# Altium PCB MCU063B_PCB.PcbDoc (part 8 of 9) (continued)
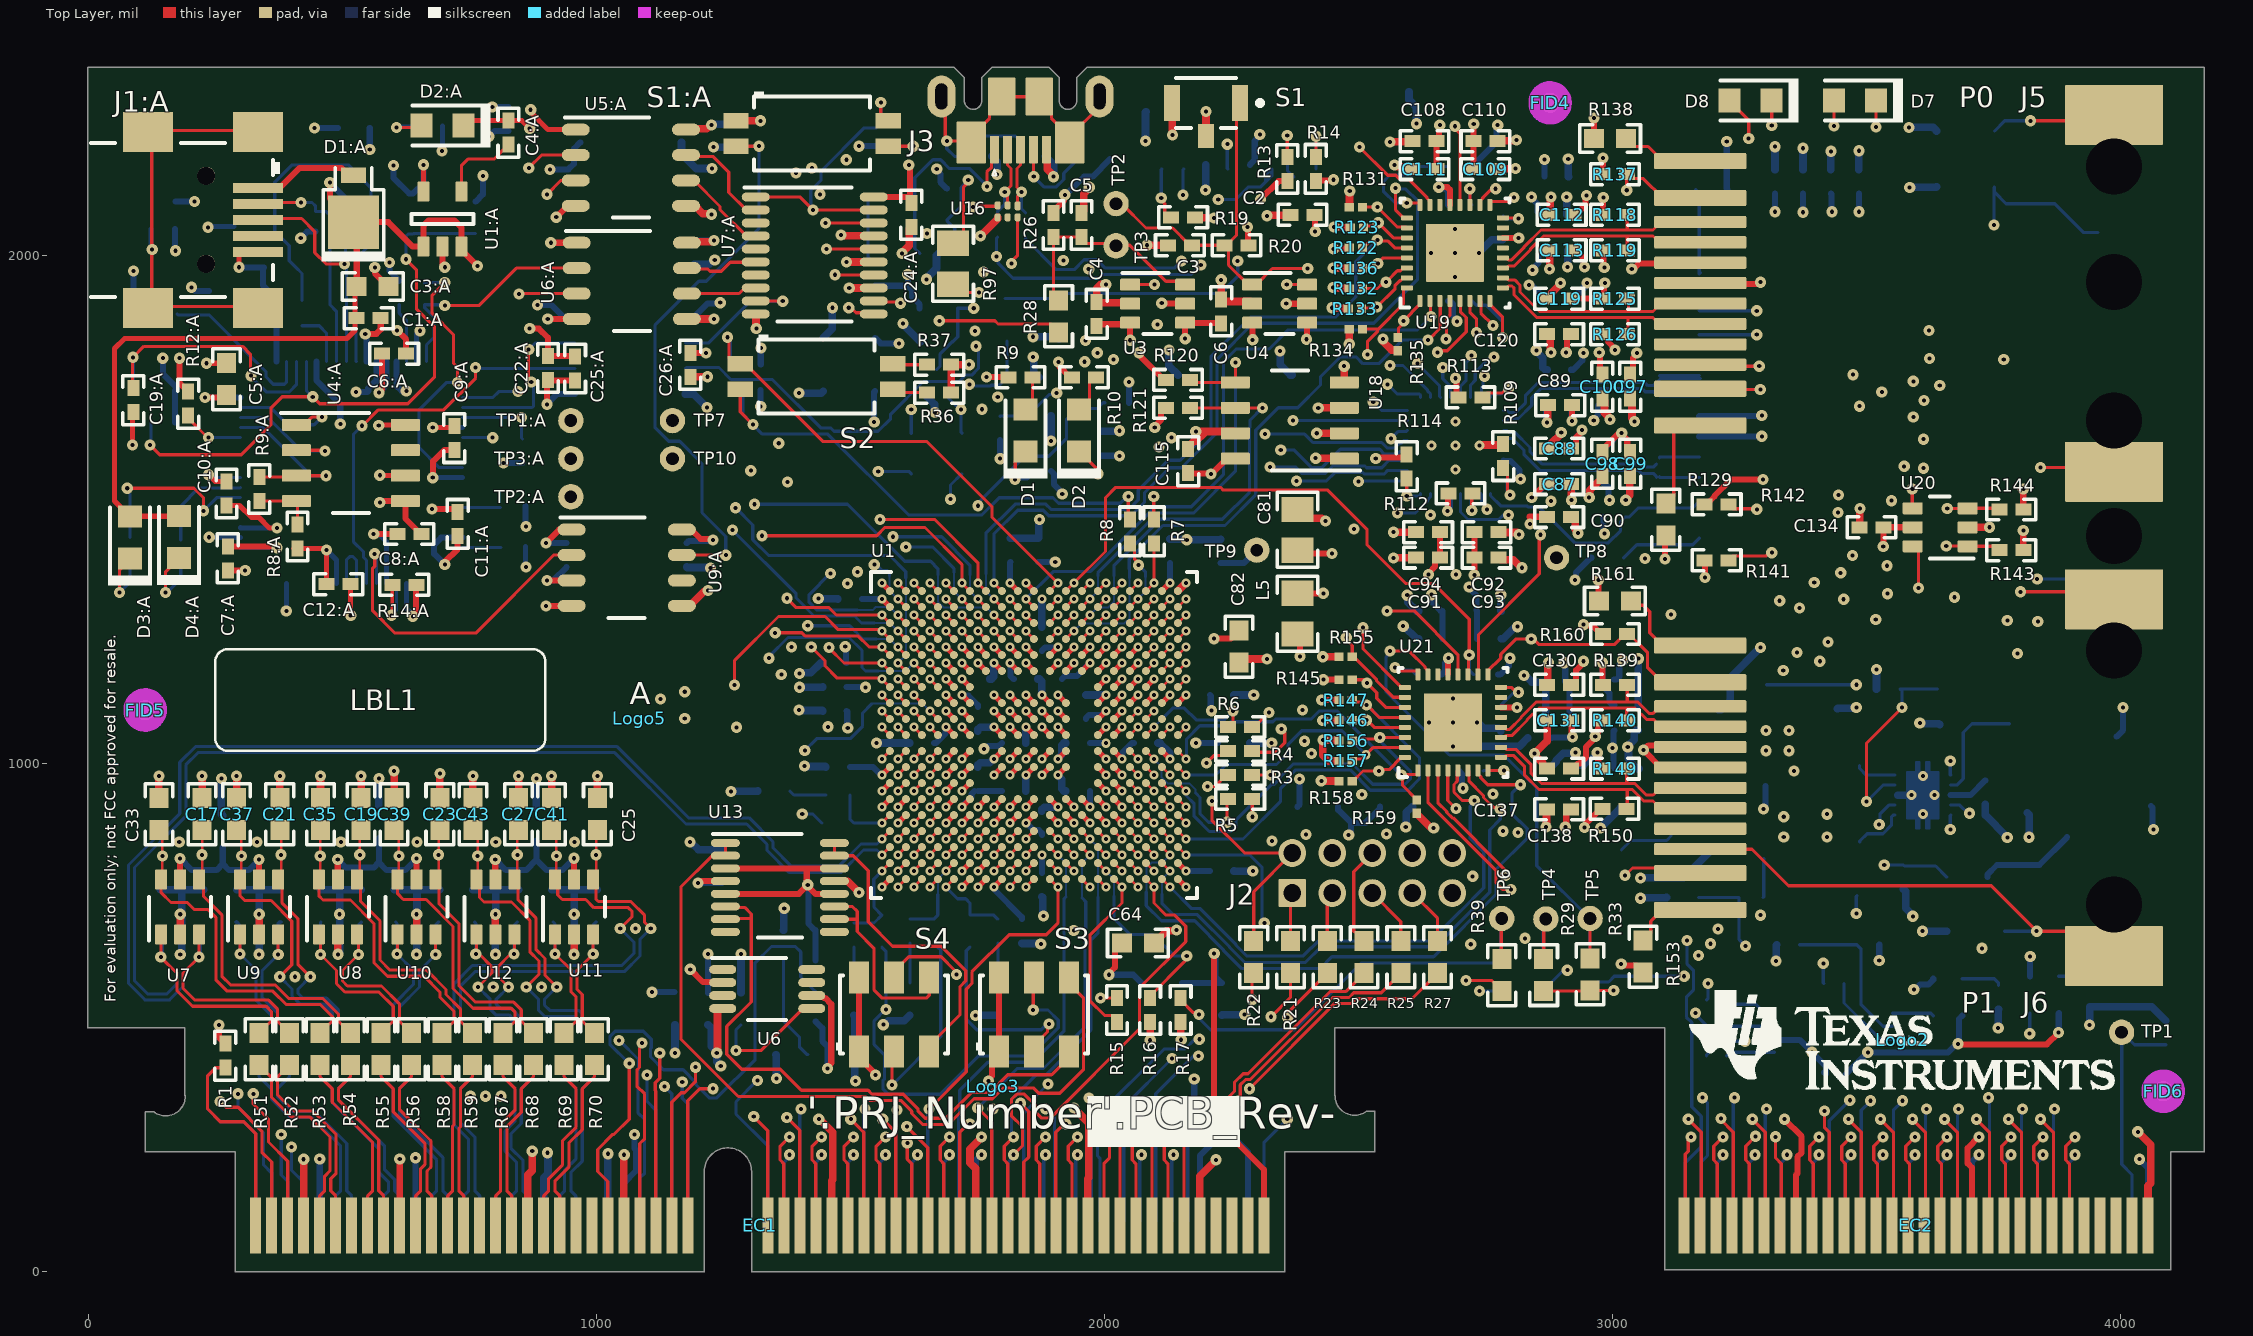
[diagram p0: Top Layer view]
## Polygon pours and split planes (outlines as drawn) (continued)
GND on Internal Plane 5 (split plane): 954.64,245.31 954.9,243.35 955.34,242.29 955.66,241.53 956.86,239.96 1026.86,169.96 1028.42,168.76 1030.25,168.01 1032.21,167.75 1192.51,167.75 1192.51,19.58 309.56,19.58 309.56,235.49 309.18,239.41 308.03,243.18 306.17,246.65 303.68,249.7 300.63,252.2 297.16,254.05 293.39,255.2 289.46,255.58 132.56,255.58 132.56,290.06 133.18,289.8 139.49,287.98 145.97,286.88 152.53,286.51 159.09,286.88 165.56,287.98 171.88,289.8 177.95,292.31 183.69,295.49 189.05,299.29 193.95,303.67 198.33,308.57 202.13,313.93 205.31,319.67 207.82,325.74 208.18,326.99 211.44,330.25 212.5,331.31 213.05,332.14 213.25,333.12 213.25,350.41 213.05,351.38 212.5,352.21 210.56,354.15 210.56,479.49 210.18,483.41 209.03,487.18 208.97,487.29 209.42,487.75 954.64,487.75
VDDA_3V3 on Internal Plane 5 (split plane): 1775.11,911.23 1775.11,756.89 1775.11,737.33 1775.37,735.37 1775.82,734.3 1776.13,733.55 1777.33,731.98 1869.66,639.65 1871.23,638.45 1873.05,637.69 1875.01,637.44 2014.39,637.44 2039.64,612.18 2039.64,484.45 2016.86,461.66 1894.07,338.88 1556.83,338.88 1517.57,378.13 1517.57,422.51 1517.32,424.47 1516.56,426.29 1515.36,427.86 1442.56,500.66 1440.99,501.86 1440.23,502.18 1439.16,502.62 1437.21,502.88 206.29,502.88 204.33,502.62 202.51,501.86 200.94,500.66 198.27,497.99 198.16,498.05 194.39,499.2 190.46,499.58 19.58,499.58 19.58,888.75 1512.66,888.75 1514.61,889 1515.68,889.45 1516.44,889.76 1518,890.96 1565.34,938.3 1748.05,938.3
HSEC_5V0 on Internal Plane 5 (split plane): 257 vertices, not listed, extent 969.77,19.58 4144.4,2177.75
EMU_1V8 on Internal Plane 5 (split plane): 1000.44,1300.43 950.01,1250 19.58,1250 19.58,2350.41 1000.44,2350.41
GND on Internal Plane 5 (split plane): 1527.37,1409.45 1528.94,1408.25 1530.76,1407.49 1532.72,1407.24 1649.13,1407.24 1649.13,1166.34 1649.13,953.43 1562.21,953.43 1560.25,953.17 1559.18,952.73 1558.42,952.41 1556.86,951.21 1509.52,903.88 19.58,903.88 19.58,1160.61 989.4,1160.61 990.01,1160 1115.01,1285 1115.01,1432.75 1504.07,1432.75
GND on Internal Plane 5 (split plane): 1424.64,1812.88 1115.01,1812.88 1115.01,2350.41 1424.64,2350.41
VDD_1V2 on Internal Plane 5 (split plane): 2454.64,1752.18 2454.64,1498.45 2346.86,1390.66 2345.66,1389.09 2345.34,1388.34 2344.9,1387.27 2344.64,1385.31 2344.64,1295.31 2344.9,1293.35 2345.34,1292.29 2345.66,1291.53 2346.86,1289.96 2371.86,1264.96 2373.42,1263.76 2375.25,1263.01 2377.21,1262.75 2424.07,1262.75 2454.64,1232.18 2454.64,1148.45 2316.86,1010.66 2012.17,705.97 2010.97,704.41 2010.65,703.65 2010.21,702.58 2009.95,700.62 2009.95,652.56 1878.14,652.56 1790.24,740.46 1790.24,756.89 1790.24,914.37 1789.99,916.33 1789.23,918.15 1788.03,919.72 1756.53,951.21 1754.97,952.41 1754.21,952.73 1753.14,953.17 1751.18,953.43 1664.26,953.43 1664.26,1166.34 1664.26,1411.67 1855.34,1602.75 1987.21,1602.75 1989.16,1603.01 1990.23,1603.45 1990.99,1603.76 1992.56,1604.96 2255.34,1867.75 2339.07,1867.75
3V3 on Internal Plane 5 (split plane): 2376.86,939.96 2378.42,938.76 2380.25,938.01 2380.48,937.98 2382.21,937.75 3424.07,937.75 3459.64,902.18 3459.64,828.45 3444.07,812.88 3065.32,812.88 3063.36,812.62 3061.54,811.86 3059.97,810.66 2951.88,702.56 2426.9,702.56 2426.9,702.57 2424.94,702.31 2423.87,701.86 2423.11,701.55 2421.55,700.35 2309.07,587.88 2054.77,587.88 2054.77,615.31 2054.51,617.27 2053.76,619.09 2052.56,620.66 2025.08,648.13 2025.08,697.49 2322.21,994.61
1V2 on Internal Plane 5 (split plane): 2866.86,1269.96 2868.42,1268.76 2870.25,1268.01 2872.21,1267.75 3234.07,1267.75 3414.64,1087.18 3414.64,952.88 2385.34,952.88 2332.91,1005.31 2467.56,1139.96 2468.76,1141.53 2469.51,1143.35 2469.77,1145.31 2469.77,1235.31 2469.51,1237.27 2468.76,1239.09 2467.56,1240.66 2432.56,1275.66 2430.99,1276.86 2430.23,1277.18 2429.16,1277.62 2427.21,1277.88 2380.34,1277.88 2359.77,1298.45 2359.77,1382.18 2467.56,1489.96 2468.76,1491.53 2469.26,1492.75 2644.07,1492.75
USB_5V0 on Internal Plane 5 (split plane): 1928.01,2267.42
no net on Internal Plane 5 (split plane): 1928,2267.42 1927.92,2267.43
no net on Internal Plane 5 (split plane): 3229.64,1476.18 3229.64,1282.88 2875.34,1282.88 2652.56,1505.66 2650.99,1506.86 2650.23,1507.18 2649.16,1507.62 2647.21,1507.88 2469.77,1507.88 2469.77,1755.31 2469.51,1757.27 2468.76,1759.09 2467.56,1760.66 2360.47,1867.75 2838.07,1867.75
USB_5V0 on Internal Plane 5 (split plane): 4144.4,1057.88 3920.34,1057.88 3804.77,1173.45 3804.77,1800.31 3804.51,1802.27 3803.76,1804.09 3802.56,1805.66 3417.56,2190.66 3415.99,2191.86 3415.23,2192.18 3414.16,2192.62 3412.21,2192.88 1907.21,2192.88 1905.25,2192.62 1903.42,2191.86 1901.86,2190.66 1746.86,2035.66 1745.66,2034.09 1745.34,2033.34 1744.9,2032.27 1744.64,2030.31 1744.64,1808.45 1589.07,1652.88 1515.34,1652.88 1439.77,1728.45 1439.77,2350.41 1695.51,2350.41 1704.15,2341.77 1704.15,2305.27 1704.26,2304.21 1704.49,2300.65 1705.47,2295.74 1707.07,2291.01 1709.28,2286.53 1712.06,2282.38 1715.35,2278.62 1719.11,2275.32 1723.27,2272.55 1727.75,2270.34 1732.48,2268.73 1737.38,2267.76 1740.93,2267.52 1741.59,2267.46 1742,2267.42 1742.93,2267.51 1746.61,2267.75 1751.35,2268.69 1755.92,2270.25 1760.26,2272.39 1764.28,2275.07 1767.91,2278.26 1771.1,2281.89 1773.78,2285.91 1775.92,2290.24 1777.47,2294.82 1778.42,2299.56 1778.7,2303.85 1778.75,2304.39 1778.74,2304.49 1778.75,2304.59 1778.75,2304.6 1778.75,2341.77 1786.96,2349.98 1882.95,2349.98 1891.16,2341.77 1891.16,2305.18 1889.8,2305.22 1889.54,2304.6 1891.16,2304.6 1891.16,2304.59 1891.18,2304.39 1891.49,2299.6 1892.44,2294.86 1893.99,2290.27 1896.13,2285.93 1898.82,2281.91 1902.01,2278.27 1905.65,2275.08 1909.68,2272.39 1914.02,2270.25 1918.6,2268.7 1923.34,2267.75 1926.89,2267.52 1927.31,2267.47 1927.26,2266.11 1927.78,2265.89 1928,2265.8 1928.2,2265.88 1928.19,2267.43 1928.21,2267.44 1928.29,2267.43 1933.18,2267.75 1937.98,2268.71 1942.62,2270.28 1947.01,2272.45 1951.09,2275.17 1954.77,2278.4 1958,2282.09 1960.72,2286.16 1962.89,2290.56 1964.47,2295.19 1965.42,2300 1965.64,2303.31 1965.76,2304.36 1965.76,2304.37 1965.75,2304.48 1965.76,2304.6 1965.76,2304.61 1965.76,2341.77 1974.41,2350.42 4144.4,2350.42
VDD_3V3 on Internal Plane 6 (split plane): 245 vertices, not listed, extent 19.58,19.58 4144.4,2350.42
EMU_3V3 on Internal Plane 6 (split plane): 1000.44,1300.43 950.01,1250 19.58,1250 19.58,2350.41 1000.44,2350.41
VDD_3V3 on Internal Plane 6 (split plane): 1928.01,2267.42
no net on Internal Plane 6 (split plane): 1928,2267.42 1927.92,2267.43
GND on Internal Plane 9 (split plane): 245 vertices, not listed, extent 19.58,19.58 4144.4,2350.42
EMU_GND on Internal Plane 9 (split plane): 1000.44,1300.43 950.01,1250 19.58,1250 19.58,2350.41 1000.44,2350.41
GND on Internal Plane 9 (split plane): 1928.01,2267.42
no net on Internal Plane 9 (split plane): 1928,2267.42 1927.92,2267.43

## Keep-outs
Keep-Out Layer:
  text ".Layer_Name" at -2483.86,-1945.78 h60

## Other copper
Top Layer:
  text ".Layer_Name" at -2483.86,-1945.78 h60
Signal Layer 3:
  text ".Layer_Name" at -2500,-1950 h60
Signal Layer 4:
  text ".Layer_Name" at -2500,-1950 h60
Signal Layer 7:
  text ".Layer_Name" at -2500,-1950 h60
Signal Layer 8:
  text ".Layer_Name" at -2500,-1950 h60
Bottom:
  text ".Layer_Name" at -2483.86,-1945.78 h60
Internal Plane 2 (plane layer: these items are gaps in the copper):
  rectangle: -1.84,1160.61 990.01,1250
  rectangle: 1000.44,1285 1115.01,2356.57
  region: 990.01,1160 1115.01,1285 1050.01,1350 925.01,1225
  lines w5: 193.87,350.41 210.7,350.41 ; 202.58,325 209.64,332.06 210.7,333.12 210.7,350.41 ; 206.11,355 210.7,350.41
  text ".Layer_Name" at -2525,-1950 h60
Internal Plane 5 (plane layer: these items are gaps in the copper):
  region: 990.01,1160 1115.01,1285 1050.01,1350 925.01,1225
  rectangle: 1000.44,1285 1115.01,2356.57
  rectangle: -1.84,1160.61 990.01,1250
  lines w5: 193.87,350.41 210.7,350.41 ; 202.58,325 209.64,332.06 210.7,333.12 210.7,350.41 ; 206.11,355 210.7,350.41
  lines w15: 0,896.31 1462.21,896.31 1512.66,896.31 1562.21,945.86 1719.69,945.86 1751.18,945.86 1782.68,914.37 1782.68,756.89 1782.68,737.33 1875.01,645 2017.52,645 ; 190.98,480 206.29,495.31 1437.21,495.31 1510.01,422.51 1510.01,375 1553.7,331.31 1835.21,331.31 1897.21,331.31 2022.21,456.31 2047.21,481.31 2047.21,615.31 2017.52,645 ; 962.21,495.31 962.21,245.31 1032.21,175.31 1212.09,175.31 ; 1077.21,1440.31 1507.21,1440.31 1532.72,1414.8 1656.7,1414.8 ; 1087.21,1805.31 1432.21,1805.31 ; 1432.21,2370.31 1432.21,1725.31 1512.21,1645.31 1592.21,1645.31 1752.21,1805.31 1752.21,2030.31 1907.21,2185.31 3412.21,2185.31 3797.21,1800.31 3797.21,1170.31 3917.21,1050.31 4163.98,1050.31 ; 1656.7,945.86 1656.7,1166.34 1656.7,1414.8 ; 2047.21,580.31 2312.21,580.31 2426.9,695 2780.01,695 2955.01,695 3065.32,805.31 3447.21,805.31 3467.21,825.31 3467.21,905.31 3427.21,945.31 2382.21,945.31 2322.21,1005.31 ; 2347.21,1875.31 2841.21,1875.31 3237.21,1479.31 3237.21,1275.31 ; 2462.21,1500.31 2647.21,1500.31 2872.21,1275.31 3237.21,1275.31 ; 3422.21,945.31 3422.21,1090.31 3237.21,1275.31 ; 1656.7,1414.8 1852.21,1610.31 1987.21,1610.31 2252.21,1875.31 2342.21,1875.31 2462.21,1755.31 2462.21,1495.31 2352.21,1385.31 2352.21,1295.31 2377.21,1270.31 2427.21,1270.31 2462.21,1235.31 2462.21,1145.31 2017.52,700.62 2017.52,645
  text ".Layer_Name" at -2500,-1950 h60
Internal Plane 6 (plane layer: these items are gaps in the copper):
  region: 990.01,1160 1115.01,1285 1050.01,1350 925.01,1225
  rectangle: 1000.44,1285 1115.01,2356.57
  rectangle: -1.84,1160.61 990.01,1250
  lines w5: 193.87,350.41 210.7,350.41 ; 202.58,325 209.64,332.06 210.7,333.12 210.7,350.41 ; 206.11,355 210.7,350.41
  text ".Layer_Name" at -2500,-1950 h60
Internal Plane 9 (plane layer: these items are gaps in the copper):
  region: 990.01,1160 1115.01,1285 1050.01,1350 925.01,1225
  rectangle: 1000.44,1285 1115.01,2356.57
  rectangle: -1.84,1160.61 990.01,1250
  lines w5: 193.87,350.41 210.7,350.41 ; 202.58,325 209.64,332.06 210.7,333.12 210.7,350.41 ; 206.11,355 210.7,350.41
  text ".Layer_Name" at -2500,-1950 h60

## Silkscreen, mask and mechanical layers (free items; w line width, h text height)
Top Overlay:
  region: 2267.21,345.31 1967.21,345.31 1967.21,245.31 2267.21,245.31
  text "P0" at 3683,2292 h40
  text "P1" at 3688,509 h40
  text "'.PRJ_Number'.PCB_Rev-" at 1413.21,260.65 h108.27
  text ".Layer_Name" at -2483.86,-1945.78 h60
Bottom Overlay:
  text "5V0" at 1090.77,1658.26 h53
  text "GND" at 1100.84,1583.05 h53
  text "3V0" at 1090.76,1508.27 h53
  text "1V2" at 2418,1405 h50
  text "3V3" at 2861.9,1390.6 h50
  text "C28x" at 2820.73,730.87 h40
  text "P0" at 2883.35,730.87 h40
  text "P1" at 2972.22,730.45 h40
  text "ERRORSTS" at 4000,245 h40 r270
  text ".Layer_Name" at -2483.86,-1945.78 h60
Top Paste:
  text ".Layer_Name" at -2483.86,-1945.78 h60
Bottom Paste:
  text ".Layer_Name" at -2483.86,-1945.78 h60
Top Solder:
  lines w1: 1778.85,2369.56 1891.06,2369.56
  lines w39.37: 1703.62,2369.99 1723.73,2349.88 1723.73,2304.6 ; 1724.4,2304.6 ccw(c1741.78,2304.39) 1759.17,2304.6 ; 1778.85,2369.56 1759.17,2349.88 1759.17,2304.6 ; 1891.06,2369.56 1910.74,2349.88 1910.74,2304.6 ccw(c1928.17,2304.43) 1928,2287 ccw(c1928.29,2304.89) 1946.18,2304.6 1946.18,2349.88 1966.3,2370 ; 1759.17,2304.6 1759.17,2304.6
  lines w50: 190.98,347 190.98,480 0.01,480 0,2370 4163.98,2370 4163.98,236.1 4098.57,236.1 4098.57,4 3103.29,4 3103.29,480 2452.98,480 2452.98,443.59 2452.98,346 ; 191.48,347.03 cw(c152.53,345.09) 128.98,314 112.98,314 112.98,236 289.98,236 289.98,0 1212.09,0 1212.09,197 cw(c1259.09,197) 1306.09,197 1306.09,0 2354.98,0 2354.98,236 2531.98,236 2531.98,315 2515.98,315 cw(c2492.48,346.12) 2453.48,346
  text ".Layer_Name" at -2483.86,-1945.78 h60
  text ".Layer_Name" at -2483.86,-1945.78 h60
Bottom Solder:
  lines w39.37: 1703.62,2369.99 1723.73,2349.88 1723.73,2304.6 ; 1724.4,2304.6 ccw(c1741.78,2304.39) 1759.17,2304.6 ; 1778.85,2369.56 1759.17,2349.88 1759.17,2304.6 ; 1891.06,2369.56 1910.74,2349.88 1910.74,2304.6 ccw(c1928.17,2304.43) 1928,2287 ccw(c1928.29,2304.89) 1946.18,2304.6 1946.18,2349.88 1966.3,2370 ; 1759.17,2304.6 1759.17,2304.6
  lines w50: 190.98,347 190.98,480 0.01,480 0,2370 4163.98,2370 4163.98,236.1 4098.57,236.1 4098.57,4 3103.29,4 3103.29,480 2452.98,480 2452.98,443.59 2452.98,346 ; 191.48,347.03 cw(c152.53,345.09) 128.98,314 112.98,314 112.98,236 289.98,236 289.98,0 1212.09,0 1212.09,197 cw(c1259.09,197) 1306.09,197 1306.09,0 2354.98,0 2354.98,236 2531.98,236 2531.98,315 2515.98,315 cw(c2492.48,346.12) 2453.48,346
  text ".Layer_Name" at -2483.86,-1945.78 h60
Drill Guide:
  text ".Layer_Name" at -2483.86,-1945.78 h60
M1 Board Outline:
  lines w10: 190.98,347 190.98,480 0.01,480 0,2369.99 1703.62,2369.99 1723.73,2349.88 1723.73,2304.6 ; 191.48,347.03 cw(c152.53,345.09) 128.98,314 112.98,314 112.98,236 289.98,236 ; 1724.4,2304.6 ccw(c1741.78,2304.39) 1759.17,2304.6 ; 2354.98,236 2531.98,236 2531.98,315 2515.98,315 cw(c2492.48,346.12) 2453.48,346 ; 2452.98,346 2452.98,443.59 2452.98,480 3103.29,480 3103.29,4 4098.57,4 4098.57,236.1 4163.98,236.1 4163.98,2370 1966.3,2370 1946.18,2349.88 1946.18,2304.6 cw(c1928.29,2304.89) 1928,2287 cw(c1928.17,2304.43) 1910.74,2304.6 1910.74,2349.88 1891.06,2369.56 1778.85,2369.56 1759.17,2349.88 1759.17,2304.6 ; 1759.17,2304.6 1759.17,2304.6
  text ".Layer_Name" at -2483.86,-1945.78 h60
M2 Board Dimensions:
  rectangle: -3060.86,-1362.29 -2935.86,-1237.29
  rectangle: -2935.86,-1487.29 -2560.86,-1362.29
  lines w5: 280,265 290,255 ; 300,265 290,255 ; 460,300 315,300 290,275 290,255 ; 2370,205 2370,220 ; 2385,220 2370,220 ; 2385,515 2385,480 2405,480 2435,480 ; 2425,470 2435,480 ; 2425,490 2435,480 ; 2620,530 2630,520 3105,520 3105,500 3105,485 ; 2755,-355 2755,-185 2400,170 2400,190 2370,220 ; 3095,495 3105,485 ; 3115,495 3105,485 ; 4060,350 4060,325 4080,305 4100,285 4100,270 4100,245 ; 4090,255 4100,245 ; 4110,255 4100,245
  lines w7: -3060.86,-1362.29 -2060.86,-1362.29 ; -2935.86,-1487.29 -2935.86,-1237.29 ; -2810.86,-1487.29 -2810.86,-1237.29 ; -2560.86,-1487.29 -2560.86,-1237.29 ; -2310.86,-1487.29 -2310.86,-1237.29 ; -3060.86,-1487.29 -2060.86,-1487.29 -2060.86,-1237.29 -3060.86,-1237.29 -3060.86,-1487.29
  lines w10: 205,520 205,500 ; 225,500 205,500 ; 300,515 220,515 205,500 ; 6777.14,-860.29 6845.14,-860.29 ; 6819.14,-889.29 6846.14,-861.29 ; 6819.14,-830.29 6846.14,-860.29 ; 6853.14,484.71 6921.14,566.71 ; 6855.14,-907.29 6855.14,-585.29 ; 6855.14,-544.29 6905.14,-598.29 7015.14,-598.29 7062.14,-541.29 ; 6855.14,-542.29 6855.14,487.71 ; 6920.14,567.71 6984.14,480.71 ; 6938.14,-692.29 7006.14,-692.29 ; 6980.14,-721.29 7007.14,-693.29 ; 6980.14,-662.29 7007.14,-692.29 ; 6985.14,479.71 7057.14,569.71 ; 7016.14,-907.29 7016.14,-625.29 ; 7062.14,-542.29 7062.14,487.71 7062.14,572.71 ; 7063.14,-907.29 7063.14,-585.29 ; 7069.1,108.34 cw(c7013.14,-599.29) 7452.47,-41.75 ; 7070.98,106.97 ccw(c7210.73,341.63) 7121.85,83.38 ; 7071.14,-857.29 7098.14,-887.29 ; 7071.14,-856.29 7098.14,-828.29 ; 7071.14,113.71 cw(c7103.59,-60.26) 7133.86,114.11 ; 7073.14,-856.29 7141.14,-856.29 ; 7073.14,-693.29 7100.14,-723.29 ; 7073.14,-692.29 7100.14,-664.29 ; 7075.14,-692.29 7143.14,-692.29 ; 7089.14,-503.29 7552.14,68.71 ; 7399.14,-27.29 ccw(c7536.66,313.14) 7453.8,-44.54 ; 7416.38,6.02 cw(c7299.53,-127.43) 7455.14,-42.29
  text "x2" at 1394,2897 h60 r90
  text "x2" at 2085,2795 h60
  text "x2" at 1584,2722 h60
  text "x2" at 2302,2529 h60 r90
  text "X2" at 2510,635 h60
  text "R 39.00" at 2225,550 h60
  text "R 39.00" at 330,495 h60
  text "R 39.00" at 3740,370 h60
  text "R 39.00" at 490,265 h60
  text "30" at 7258.14,128.71 h60
  text "R 39.00" at 2625,-440 h60
  text "18MIL" at 7184.14,-720.29 h60
  text "62MIL" at 7177.14,-884.29 h60
  text "GOLD FINGER" at 6696.14,-1121.29 h60
  text "SIDE VIEW" at 6750.14,-1234.29 h60
  text ".Layer_Name" at -2483.86,-1945.78 h60
M3 3D STEP Top:
  text ".Layer_Name" at -2483.86,-1945.78 h60
M4 3D STEP Bottom:
  text ".Layer_Name" at -2483.86,-1945.78 h60
M5 Assembly Top:
  lines w10: -3352.86,-2017.45 3247.14,-2017.45 ; -3352.86,-1814.12 3249.14,-1814.12 ; -3352.86,-1610.79 -3352.86,-2220.79 652.14,-2220.79 3249.14,-2220.79 3249.14,-1610.79 -3352.36,-1610.79 -3352.36,-2220.79 -1776.86,-2220.79 ; -887.86,-2220.79 -887.86,-1610.79 ; 379.14,-1814.12 379.14,-1610.79 ; 1219.14,-1814.12 1219.14,-1610.79 ; 1841.14,-2227.29 1841.14,-2024.45
  text "COMPONENTS MARKED 'DNP' SHOULD NOT BE POPULATED." at -1907.36,-1405.79 h60
  text "ASSEMBLY VARIANT:" at -1907.86,-1521.29 h60
  text ".VariantName" at -871.86,-1521.29 h60
  text "PCB VIEWED FROM TOP SIDE" at -3289.36,-1742.95 h60
  text "BOARD #:" at -812.86,-1742.95 h60
  text ".PRJ_Number" at -267.36,-1742.95 h60
  text "REV:" at 577.14,-1742.95 h60
  text ".PCB_Rev" at 868.64,-1742.95 h60
  text "SVN REV:" at 1415.14,-1742.95 h60
  text ".VersionControl_RevNumber" at 1921.14,-1742.95 h60
  text "TID #:" at -812.86,-1946.29 h60
  text ".TID" at -267.36,-1946.29 h60
  text "PLOT NAME =" at -3289.36,-2151.62 h60
  text ".plot_File_Name" at -2483.86,-2151.62 h60
  text "GENERATED    :" at -810.86,-2151.62 h60
  text ".Print_Date" at 58.64,-2151.62 h60
  text ".Print_Time" at 787.64,-2151.62 h60
  text "TEXAS INSTRUMENTS" at 2052.14,-2151.62 h60
M6 Assembly Bottom:
  lines w10: -3353.36,-1814.62 3248.64,-1814.62 ; -3351.36,-2017.95 3248.64,-2017.95 ; -1945.36,-2227.79 -1945.36,-2024.95 ; -1323.36,-1814.62 -1323.36,-1611.29 ; -483.36,-1814.62 -483.36,-1611.29 ; 783.64,-2221.29 783.64,-1611.29 ; 1672.64,-2221.29 3248.14,-2221.29 3248.14,-1611.29 -3353.36,-1611.29 -3353.36,-2221.29 -756.36,-2221.29 3248.64,-2221.29 3248.64,-1611.29
  text "COMPONENTS MARKED 'DNP' SHOULD NOT BE POPULATED." at 3041.14,-1405.29 h60
  text ".VariantName" at 1997.14,-1521.29 h60
  text "ASSEMBLY VARIANT:" at 3036.14,-1521.29 h60
  text ".VersionControl_RevNumber" at -2025.36,-1743.45 h60
  text "SVN REV:" at -1519.36,-1743.45 h60
  text ".PCB_Rev" at -972.86,-1743.45 h60
  text "REV:" at -681.36,-1743.45 h60
  text ".PRJ_Number" at 163.14,-1743.45 h60
  text "BOARD #:" at 708.64,-1743.45 h60
  text "PCB VIEWED FROM BOTTOM SIDE" at 3185.14,-1743.45 h60
  text ".TID" at 163.14,-1946.79 h60
  text "TID #:" at 708.64,-1946.79 h60
  text "TEXAS INSTRUMENTS" at -2156.36,-2152.12 h60
  text ".Print_Time" at -891.86,-2152.12 h60
  text ".Print_Date" at -162.86,-2152.12 h60
  text "GENERATED    :" at 706.64,-2152.12 h60
  text ".plot_File_Name" at 2379.64,-2152.12 h60
  text "PLOT NAME =" at 3185.14,-2152.12 h60
M9 Title Sheet:
  drawing of 57 lines, arcs and shapes, not listed
  text "1" at -2321.03,6949.21 h70
  text "2" at 174.64,6949.21 h70
  text "3" at 2663.98,6949.21 h70
  text "4" at 5170.65,6949.21 h70
  text "5" at 7669.64,6949.21 h70
  text "6" at 10174.64,6949.21 h70
  text "A" at -3477.36,5806.21 h70
  text "A" at 11322.64,5806.21 h70
  text "B" at -3477.36,3426.21 h70
  text "B" at 11322.64,3426.21 h70
  text "C" at -3477.36,1051.21 h70
  text "C" at 11322.64,1051.21 h70
  text "PROJECT TITLE:" at 8282.64,-809.79 h45
  text ".PRJ_Title" at 8332.64,-943.11 h70
  text "DESIGNED FOR:" at 8282.64,-1110.79 h45
  text ".PRJ_Customer" at 8332.64,-1250.79 h70
  text "D" at -3477.36,-1318.79 h70
  text "D" at 11322.64,-1318.79 h70
  text "FILE NAME:" at 8282.64,-1410.79 h45
  text ".PCB_File_Name_No_Path" at 8332.64,-1530.79 h70
  text "Texas Instruments (TI) and/or its licensors do not warrant the accuracy or completeness of this specification" at 3313.14,-1692.62 h45
  text "ENGINEER:" at 8282.64,-1700.79 h45
  text "LAYOUT BY:" at 9787.64,-1700.79 h45
  text "or any information contained therein. TI and/or its licensors do not warrant that this design will meet" at 3268.15,-1805.29 h45
  text ".PRJ_Engineer" at 8332.64,-1855.78 h70
  text ".PCB_Layout" at 9838.14,-1855.78 h70
  text "the specifications, will be suitable for your application or fit for any particular purpose, or will operate in" at 3268.15,-1917.95 h45
  text ".Layer_Name" at -2483.86,-1945.78 h60
  text "ALTIUM DESIGNER VERSION:" at 9787.64,-2010.79 h45
  text "an implementation. TI and/or its licensors do not warrant that the design is production worthy. You should" at 3268.15,-2030.62 h45
  text "completely validate and test your design implementation to confirm the system functionality for your application." at 3313.14,-2143.29 h45
  text ".print_Scale" at 8332.64,-2144.11 h70
  text ".Application_BuildNumber" at 9838.14,-2144.11 h70
  text "1" at -2321.03,-2350.79 h70
  text "2" at 174.64,-2350.79 h70
  text "3" at 2663.98,-2350.79 h70
  text "4" at 5170.65,-2350.79 h70
  text "5" at 7669.64,-2350.79 h70
  text "6" at 10174.64,-2350.79 h70
M10 Fab Notes:
  drawing of 181 lines, arcs and shapes, not listed
  text "DESIGN INFORMATION" at 9321.15,5408.89 h60
  text "4" at 9775,5280 h60
  text "MIN. TRACK WIDTH:" at 8676.6,5276.76 h60
  text "MIL" at 9927.6,5276.76 h60
  text "4" at 9785,5160 h60
  text "MIN. CLEARANCE:" at 8676.6,5152.64 h60
  text "MIL" at 9927.6,5152.64 h60
  text "MIN. VIA PAD SIZE:" at 8676.6,5028.51 h60
  text "18" at 9742.85,5028.51 h60
  text "MIL" at 9927.6,5028.51 h60
  text "0.05mm (2MIL)" at 9371.6,4898.61 h60
  text "MINIMUM ANNULAR RING" at 8347.36,4890.39 h60
  text "EXTERNAL" at 10079.6,4890.39 h60
  text "PER" at 8547.36,4780.26 h60
  text "IPC-D-275 CLASS 2 LEVEL C" at 8767.36,4780.26 h60
  text "MIL, HOLES" at 10255.6,4679.78 h60
  text "+/-" at 9863.14,4671.2 h60
  text "+/-" at 10717.14,4671.2 h60
  text "REGISTRATION TOLERANCES:" at 8347.36,4670.13 h60
  text "METAL" at 9547.14,4670.13 h60
  text "5" at 10123.34,4670.14 h60
  text "3" at 10956.34,4670.14 h60
  text "MIL" at 11072.6,4670.13 h60
  text "HOLE SIZE TOLERANCE (UNLESS OTHERWISE SPECIFIED):" at 8347.36,4571.82 h60
  text "+/-" at 10717.14,4568.95 h60
  text "3" at 10956.34,4567.88 h60
  text "MIL" at 11072.6,4567.88 h60
  text "MATERIAL:" at 8272.6,4430.23 h60
  text "FR-4 High Tg" at 9259.04,4301.71 h60
  text "X" at 9114.6,4293.72 h60
  text "FR-408" at 8693.6,4289.2 h60
  text "OTHER" at 10181.6,4289.2 h60
  text "62 MIL (1.6mm) +/-10%" at 9013.7,4146.17 h60
  text "X" at 8893.6,4143.72 h60
  text "THICKNESS:" at 8347.36,4137.95 h60
  text "OTHER" at 10298.6,4137.95 h60
  text "TOLERANCE:" at 8347.36,3999.64 h60
  text "X" at 9195.6,3999.64 h60
  text "ANSI IPC-6012 TYPE 3 CLASS 2" at 9373.61,3999.64 h60
  text "OTHER +/-" at 9373.6,3855.45 h60
  text "BOW & TWIST:" at 8347.36,3710.26 h60
  text "X" at 9195.6,3710.26 h60
  text "ANSI IPC-6012 TYPE 3 CLASS 2" at 9373.61,3710.26 h60
  text "OTHER +/-" at 9373.6,3563.56 h60
  text "DRILLING:" at 8272.6,3432.94 h60
  text "NC_DRILL FILES" at 10033.6,3327.75 h60
  text "REFERENCE:" at 8347.36,3323.82 h60
  text "X" at 9004.6,3323.72 h60
  text "AS SHOWN" at 9182.6,3323.82 h60
  text "X" at 9905.6,3323.82 h60
  text "OTHER" at 10331.6,3181.57 h60
  text "PTH COPPER THICKNESS:" at 8347.04,3178.04 h60
  text "X" at 9486.28,3178.04 h60
  text "20-30 um" at 9614.27,3178.04 h60
  text "BOARD FINISH:" at 8272.6,3030.44 h60
  text "SILKSCREEN:" at 8427.82,2920.31 h60
  text "X" at 9385.6,2920.31 h60
  text "TOP" at 9502.6,2920.31 h60
  text "X" at 9895.6,2920.31 h60
  text "BOTTOM" at 10013.6,2920.31 h60
  text "SILKSCREEN COLOR:" at 8427.82,2765.12 h60
  text "X" at 9384.6,2765.12 h60
  text "WHITE" at 9502.6,2765.12 h60
  text "OTHER" at 10013.6,2765.12 h60
  text "BLUE" at 10668.6,2631.68 h60
  text "GREEN" at 9633.6,2621.68 h60
  text "X" at 10105.6,2621.68 h60
  text "OTHER" at 10251.6,2621.68 h60
  text "SOLDER RESIST COLOR:" at 8427.82,2614.81 h60
  text "X" at 10106,2469.7 h60
  text "MATTE" at 9633.6,2467.42 h60
  text "SEMI-GLOSS" at 10251.14,2466.79 h60
  text "IMMERSION GOLD (ENIG)" at 9333.59,2294.65 h60
  text "ENEPIG" at 10671.14,2287.43 h60
  text "SURFACE FINISH:" at 8272.6,2286.43 h60
  text "X" at 9155.6,2286.43 h60
  text "IMM. TIN/SILVER OR EQUIV" at 8602.14,2149.12 h60
  text "HARD GOLD OVER NICKEL 30u/80u, ON EDGEFINGERS" at 8976.56,1996.11 h60
  text "X" at 8445.6,1986.43 h60
  text "OTHER" at 8623.6,1985.18 h60
  text "ARRAY/PANEL:" at 8272.6,1849.8 h60
  text "CUT AND TRIM PER M1 BOARD OUTLINE" at 9333.6,1841.58 h60
  text "N.C. ROUTE" at 9333.6,1705.61 h60
  text "X" at 10021.6,1705.61 h60
  text "V. SCORE" at 10199.6,1705.61 h60
  text "CERTIFICATION:" at 8272.6,1576.49 h60
  text "MATERIALS AND WORKMANSHIP FOR ALL PCBS" at 8997.6,1576.49 h60
  text "J4-J6: NPTH on SMT pads are intentional per manufacturers footprint.  SMT pad copper may be pulled back 5-8Mil from holes as needed for processing." at 4711,1557 h59
  text "TO MEET OR EXCEED THE REQUIREMENTS OF:" at 8997.6,1482.42 h60
  text "X" at 8635.1,1353.79 h60
  text "ANSI IPC-A-600F CLASS ->" at 8763.1,1353.79 h60
  text "X" at 10411.1,1353.79 h60
  text "2" at 10521.1,1353.79 h60
  text "1" at 10206.1,1352.3 h60
  text "3" at 10875.1,1352.3 h60
  text "X" at 9447.1,1206.11 h60
  text "RoHS" at 9575.1,1206.11 h60
  text "OTHER" at 10219.5,1206.11 h60
  text "PER ORDER" at 10616.56,1206.11 h60
  text "ALL BOARDS MUST MEET OR EXCEED UL94-V0 REQUIREMENTS." at 8300.14,1052.28 h60
  text "PCB MUST BEAR THE UL94V-0 UL REGISTERED MATERIAL ID NUMBER" at 8300.14,936.22 h60
  text "ADDITIONAL REQUIREMENTS:" at 8272.6,766.79 h60
  text "REQUIRED" at 10054.6,645.34 h60
  text "BARE BOARD ELEC. TEST:" at 8287.36,642.48 h60
  text "NONE" at 9593.1,642.48 h60
  text "X" at 10529.14,642.71 h60
  text "PER ORDER" at 10646.6,642.48 h60
  text "OUTER LAYERS 6 MIL WIDE, 6 MIL SPACE / TRACES REQUIRE 100 OHM DIFFERENTIAL IMPEDANCE" at 8524.21,340.78 h60
  text "X" at 8340.1,333.79 h60
  text "X" at 8350.1,163.79 h60
  text "INNER LAYERS 5 MIL WIDE, 7 MIL SPACE / TRACES REQUIRE 100 OHM DIFFERENTIAL IMPEDANCE" at 8494.21,155.78 h60
  text "X" at 8350.1,-1.21 h60
  text "OUTER LAYERS 6.1 MIL WIDE, 6 MIL SPACE / TRACES REQUIRE 90 OHM DIFFERENTIAL IMPEDANCE" at 8506.53,-30.07 h60
  text ".Layer_Name" at -2483.86,-1945.78 h60
M11 Gerber Information:
  lines w10: -3352.86,-2017.45 3247.14,-2017.45 ; -3352.86,-1814.12 3249.14,-1814.12 ; -3352.86,-1610.79 -3352.86,-2220.79 652.14,-2220.79 3249.14,-2220.79 3249.14,-1610.79 -3352.36,-1610.79 -3352.36,-2220.79 -1776.86,-2220.79 ; -887.86,-2220.79 -887.86,-1610.79 ; 379.14,-1814.12 379.14,-1610.79 ; 1219.14,-1814.12 1219.14,-1610.79 ; 1841.14,-2227.29 1841.14,-2024.45
  text "ALL ARTWORK VIEWED FROM TOP SIDE" at -3289.36,-1742.95 h60
  text "BOARD #:" at -812.86,-1742.95 h60
  text ".PRJ_Number" at -267.36,-1742.95 h60
  text "REV:" at 577.14,-1742.95 h60
  text ".PCB_Rev" at 868.64,-1742.95 h60
  text "SVN REV:" at 1415.14,-1742.95 h60
  text ".VersionControl_RevNumber" at 1921.14,-1742.95 h60
  text "LAYER NAME =" at -3289.36,-1945.78 h60
  text "TID #:" at -812.86,-1946.29 h60
  text ".TID" at -267.36,-1946.29 h60
  text "PLOT NAME =" at -3289.36,-2151.62 h60
  text ".plot_File_Name" at -2483.86,-2151.62 h60
  text "GENERATED    :" at -810.86,-2151.62 h60
  text ".Print_Date" at 58.64,-2151.62 h60
  text ".Print_Time" at 787.64,-2151.62 h60
  text "TEXAS INSTRUMENTS" at 2052.14,-2151.62 h60